# Altium PCB Hydro_USBL_PCB.PcbDoc (part 1 of 2) (continued)
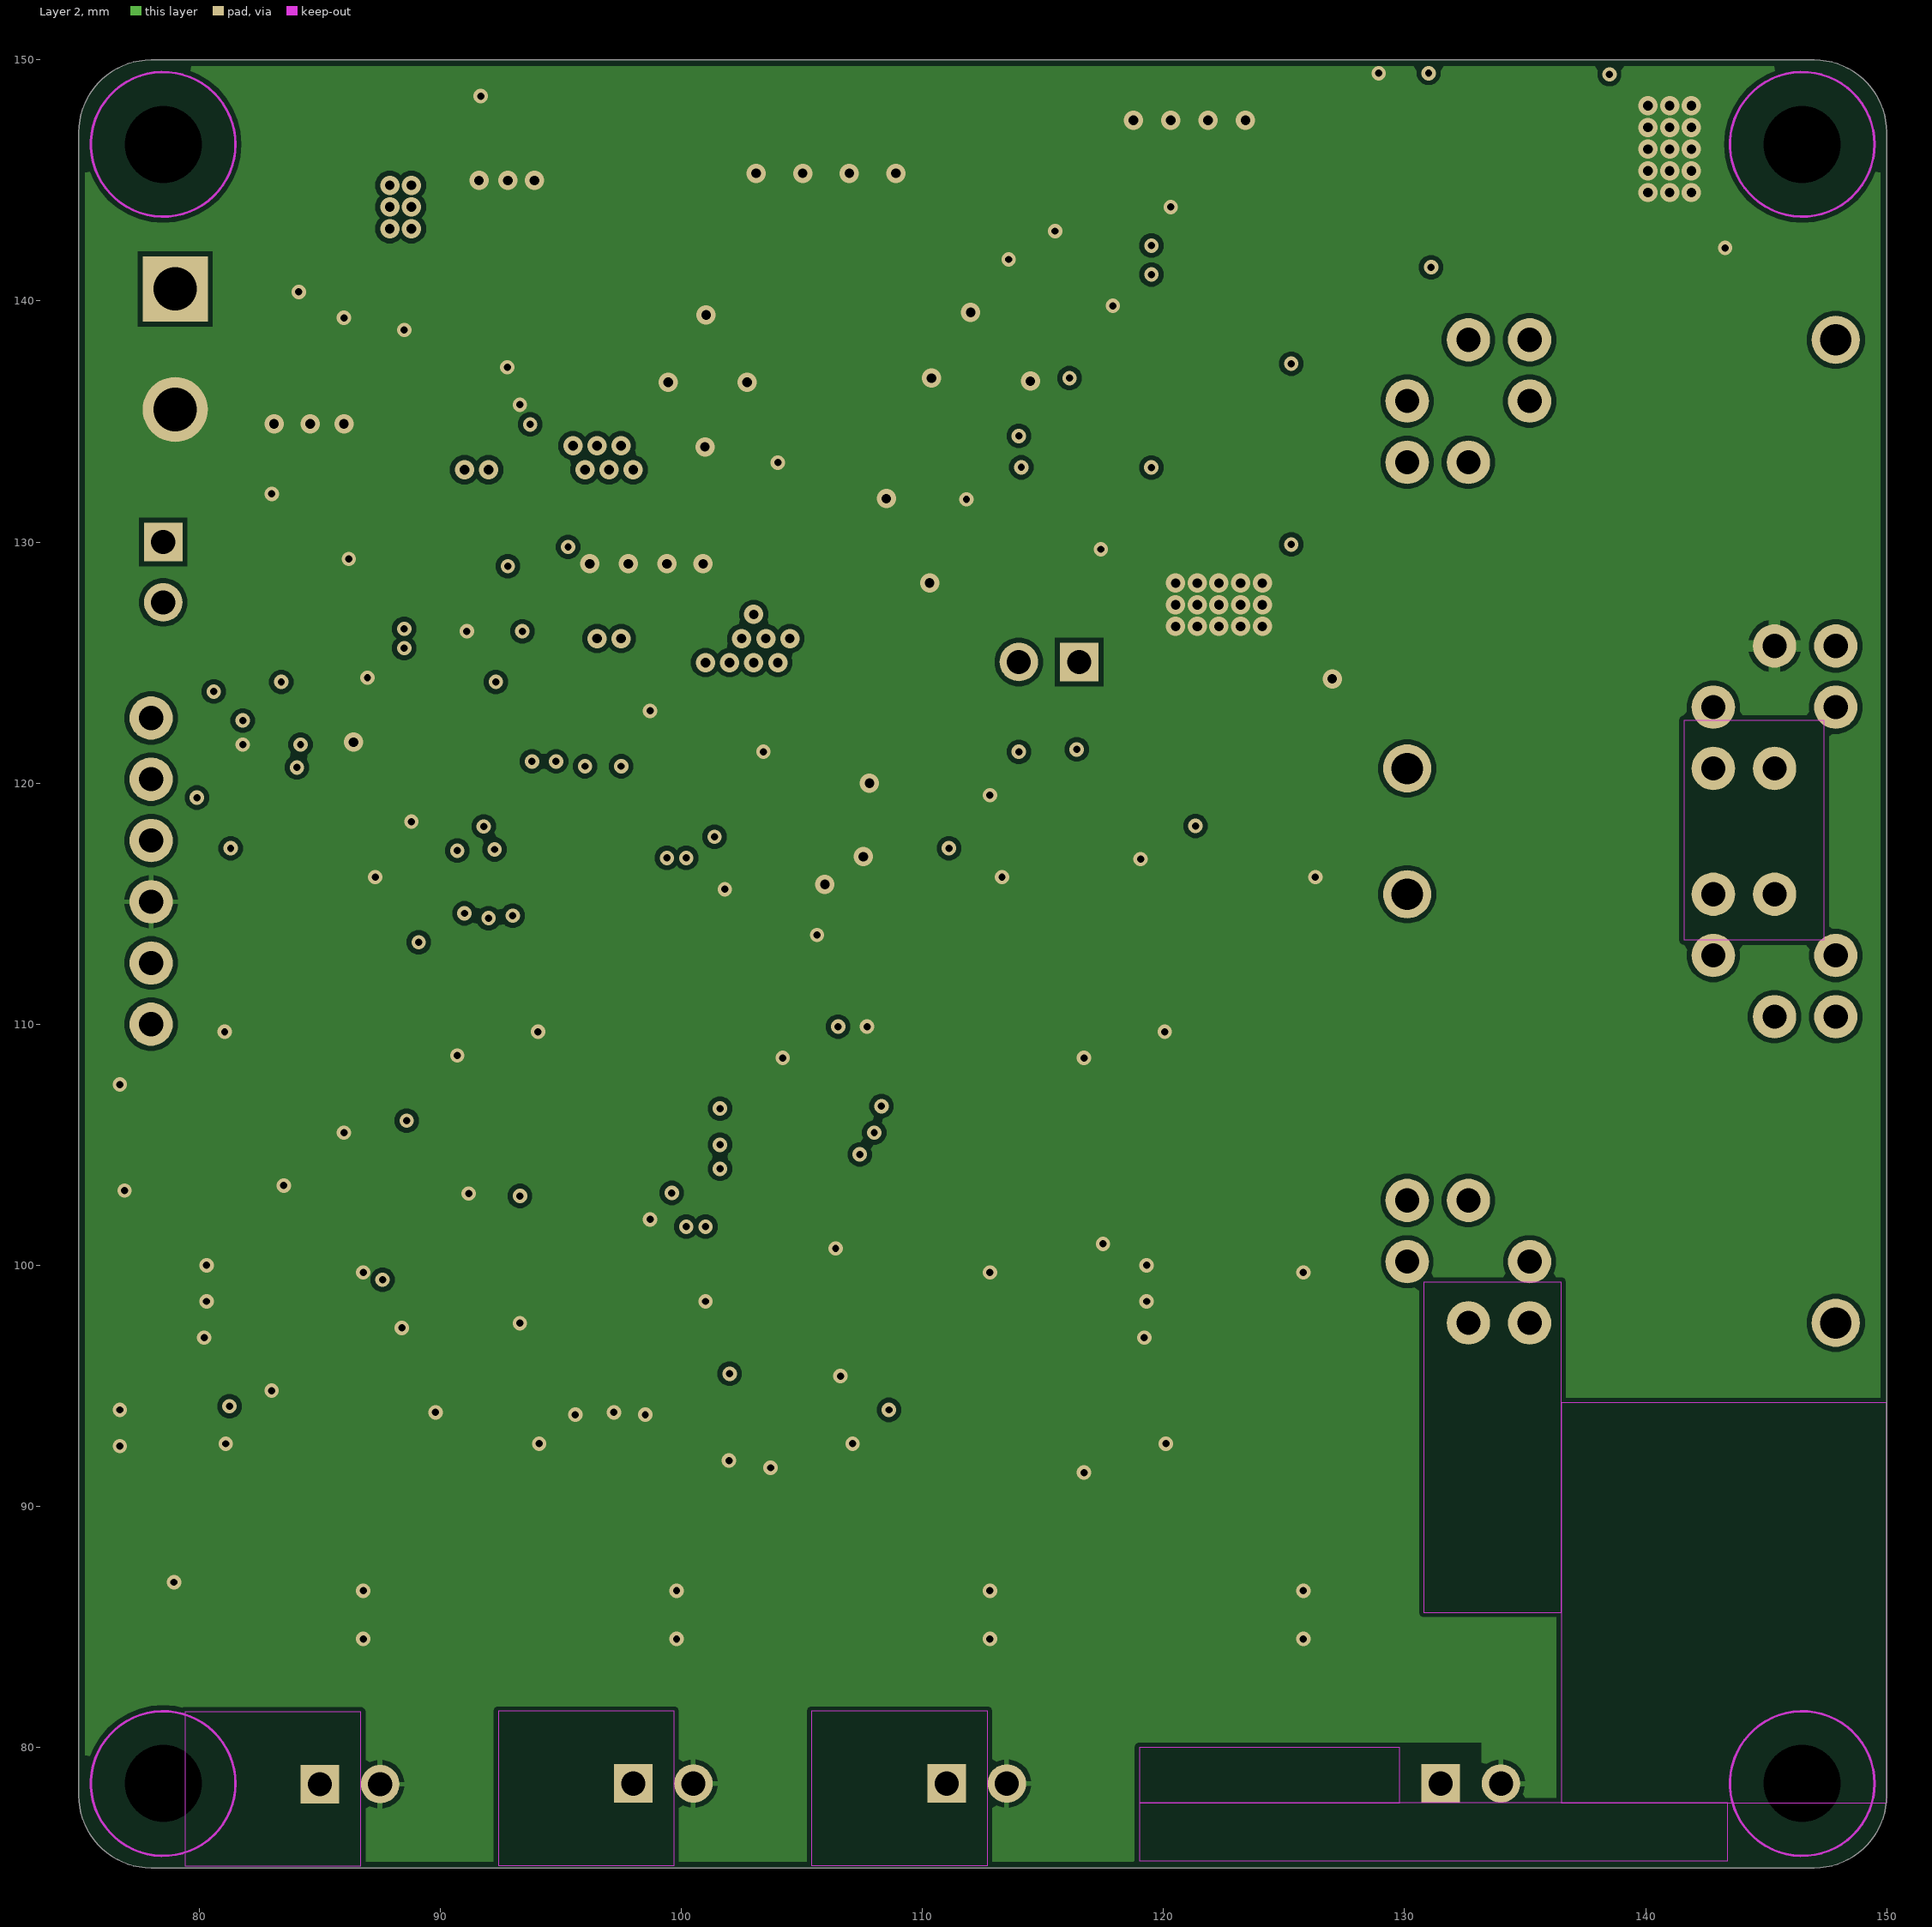
[diagram p3: Layer 2]

## Layer stack, top to bottom
Top Solder: solder mask 0.0102, Solder Resist, Dk 3.5
Top Layer: signal copper 0.0356
Dielectric 2: prepreg 0.115, FR4 PR, Dk 4.2
Layer 1: signal copper 0.035
Dielectric 1: core 0.5, FR4 Tg150, Dk 4.6
Layer 2: signal copper 0.035
Dielectric 3: prepreg 0.115, FR4 PR, Dk 4.2
Bottom Layer: signal copper 0.0356
Bottom Solder: solder mask 0.0102, Solder Resist, Dk 3.5

## Board outline
75,78 75,147 cw(c78,147) 78,150 147,150 cw(c147,147) 150,147 150,78 cw(c147,78) 147,75 78,75 cw(c78,78)

## Design rules (kind name [scope] priority, off if disabled: settings)
AcuteAngle [All] p1: minimum=3.50000000000000E+0001 checktracksonly=FALSE
BoardOutlineClearance "BoardOutlineClearance 1" [All] p1: gap=0.25 ignorepadtopadclearanceinfootprint=FALSE except(0: Arc-SplitContinuation Track-SplitContinuation SMDPad-SplitContinuation THPad-SplitContinuation Via-SplitContinuation Fill-SplitContinuation Poly-SplitContinuation Region-SplitContinuation Text-SplitContinuation) // Milling
BoardOutlineClearance "BoardOutlineClearance 2" [All] p2: gap=0.4 ignorepadtopadclearanceinfootprint=FALSE except(0: Arc-SplitContinuation Track-SplitContinuation SMDPad-SplitContinuation THPad-SplitContinuation Via-SplitContinuation Fill-SplitContinuation Poly-SplitContinuation Region-SplitContinuation Text-SplitContinuation) // V-Cut
Clearance [InNetClass('HV')] p1: gap=0.9 ignorepadtopadclearanceinfootprint=TRUE
Clearance "Schematic Clearance Constraint" [InNet('NetL1_3')] p2: gap=1 ignorepadtopadclearanceinfootprint=FALSE
Clearance "Clearance-1 1 Oz" [All] p3: gap=0.2 ignorepadtopadclearanceinfootprint=FALSE except(0.25: Arc-Hole Track-Hole SMDPad-Hole THPad-Hole Via-Hole Fill-Hole Poly-Hole Region-Hole Text-Hole) // Standart
DiffPairsRouting [InDifferentialPairClass('90OhmDiff')] p1 off: maxlimit=0.222 minlimit=0.127 mostfreqgap=0.222 toplayer_mingap=0.222 toplayer_minwidth=0.2 toplayer_maxwidth=0.2 toplayer_prefwidth=0.2 midlayer1_maxgap=0.127 midlayer1_prefgap=0.127 midlayer1_minwidth=0.082 midlayer1_maxwidth=0.082 midlayer1_prefwidth=0.082 midlayer2_maxgap=0.127 midlayer2_prefgap=0.127 midlayer2_minwidth=0.082 midlayer2_maxwidth=0.082 midlayer2_prefwidth=0.082 bottomlayer_mingap=0.222 bottomlayer_minwidth=0.2 bottomlayer_maxwidth=0.2 bottomlayer_prefwidth=0.2 impedanceprofiledriven=TRUE impedanceprofileid={9D8E4738-0CD2-4533-A0C9-D04DD6BC2EC3} impedanceprofilevalue=90.000000 maxuncoupledlength=12.7
DiffPairsRouting "DiffPairsRouting 1 Oz" [All] p2: maxlimit=0.25 minlimit=0.2 mostfreqgap=0.2 toplayer_minwidth=0.2 toplayer_maxwidth=0.38 toplayer_prefwidth=0.25 midlayer1_minwidth=0.2 midlayer1_maxwidth=0.38 midlayer1_prefwidth=0.25 midlayer2_minwidth=0.2 midlayer2_maxwidth=0.38 midlayer2_prefwidth=0.25 bottomlayer_minwidth=0.2 bottomlayer_maxwidth=0.38 bottomlayer_prefwidth=0.25 maxuncoupledlength=12.7
HoleSize "Minimum HoleSize" [IsPad] p1: absolutevalues=TRUE maxlimit=5.9 minlimit=0.6 maxpercent=80.000 minpercent=20.000
HoleSize "Minimum HoleSize VIA 1" [IsVia] p2: absolutevalues=TRUE maxlimit=5.9 minlimit=0.3 maxpercent=80.000 minpercent=20.000 // Standart
HoleSize "Minimum HoleSize VIA 2" [IsVia] p3: absolutevalues=TRUE maxlimit=5.9 minlimit=0.2 maxpercent=80.000 minpercent=20.000 // Advance
HoleToHoleClearance Hole2HoleClearance [All] p1: gap=0.25 allowstackedmicrovias=FALSE
MinimumAnnularRing "Minimum AR VIA Standart" [IsVia] p1: minimumring=0.15
MinimumAnnularRing "Minimum AR PAD Standart" [IsPAD] p2: minimumring=0.2
MinimumAnnularRing "Minimum AR VIA Advance" [IsVia] p3: minimumring=0.1
MinimumAnnularRing "Minimum AR PAD Advance" [IsPAD] p4: minimumring=0.15
MinimumSolderMaskSliver "SolderMask Bridge Standart" [All] p1: minsoldermaskwidth=0.15 // All Masks
MinimumSolderMaskSliver "SolderMask Bridge Advance" [All] p2: minsoldermaskwidth=0.1 // Mask LDI
PlaneClearance "PlaneClearance 3 Oz" [All] p1 off: clearance=0.35
PlaneClearance "PlaneClearance 2 Oz" [All] p2 off: clearance=0.3
PlaneClearance "PlaneClearance 1 Oz" [All] p3: clearance=0.2
PlaneClearance "PlaneClearance-1 1/2 Oz" [All] p4 off: clearance=0.2 // Standart
PlaneClearance "PlaneClearance-2 1/2 Oz" [All] p5 off: clearance=0.15 // Advance
PlaneConnect "TermalConnect 3 Oz" [All] p1 off: planeconnectstyle=Relief reliefexpansion=0.2 reliefentries=4 reliefconductorwidth=0.35 reliefairgap=0.35 // Standart
PlaneConnect "TermalConnect 2 Oz" [All] p2 off: planeconnectstyle=Relief reliefexpansion=0.2 reliefentries=4 reliefconductorwidth=0.3 reliefairgap=0.3 // Standart
PlaneConnect "TermalConnect-1 1 Oz" [All] p3: planeconnectstyle=Relief reliefexpansion=0.2 reliefentries=4 reliefconductorwidth=0.2 reliefairgap=0.2 // Standart
PlaneConnect "TermalConnect-2 1 Oz" [All] p4 off: pad.planeconnectstyle=Relief pad.reliefexpansion=0.15 pad.reliefentries=4 pad.reliefconductorwidth=0.2 pad.reliefairgap=0.2 via.planeconnectstyle=Direct via.reliefexpansion=0.15 via.reliefentries=4 via.reliefconductorwidth=0.15 via.reliefairgap=0.15 // Advance
PlaneConnect "TermalConnect-1 1/2 Oz" [All] p5 off: planeconnectstyle=Relief reliefexpansion=0.2 reliefentries=4 reliefconductorwidth=0.2 reliefairgap=0.2 // Standart
PlaneConnect "TermalConnect-2 1/2 Oz" [All] p6 off: pad.planeconnectstyle=Relief pad.reliefexpansion=0.15 pad.reliefentries=4 pad.reliefconductorwidth=0.15 pad.reliefairgap=0.15 via.planeconnectstyle=Direct via.reliefexpansion=0.15 via.reliefentries=4 via.reliefconductorwidth=0.15 via.reliefairgap=0.15 // Advance
PolygonConnect PolygonConnect_7 [InNamedPolygon('+5В_L04_P013')] p1: connectstyle=Direct reliefconductorwidth=0.254 reliefentries=4 polygonreliefangle="90 Angle" airgapwidth=0.254
PolygonConnect PolygonConnect_5 [InNet('NetC53_2')  or InNet('NetC61_2')] p2: connectstyle=Direct reliefconductorwidth=0.254 reliefentries=4 polygonreliefangle="90 Angle" airgapwidth=0.254
PolygonConnect PolygonConnect_6 [HasFootprint('SP43')] p3: thpad.connectstyle=Relief thpad.reliefconductorwidth=0.8 thpad.reliefentries=4 thpad.polygonreliefangle="90 Angle" thpad.airgapwidth=0.2 smdpad.connectstyle=Relief smdpad.reliefconductorwidth=0.8 smdpad.reliefentries=4 smdpad.polygonreliefangle="90 Angle" smdpad.airgapwidth=0.2 via.connectstyle=Direct via.reliefconductorwidth=0.254 via.reliefentries=4 via.polygonreliefangle="90 Angle" via.airgapwidth=0.254
PolygonConnect PolygonConnect_4 [HasFootprint('RM8_trans')] p4: connectstyle=Relief reliefconductorwidth=0.5 reliefentries=4 polygonreliefangle="90 Angle" airgapwidth=0.2
PolygonConnect PolygonConnect_3 [HasFootprint('TSOT26')] p5: connectstyle=Relief reliefconductorwidth=0.4 reliefentries=4 polygonreliefangle="90 Angle" airgapwidth=0.2
PolygonConnect PolygonConnect_2 [(HasFootprint('1210C') OR HasFootprint('1206C')) Or (HasFootprint('CAP_SMD_10x12,7')) or (HasFootprint('SOT223'))] p6: connectstyle=Relief reliefconductorwidth=0.6 reliefentries=4 polygonreliefangle="90 Angle" airgapwidth=0.2
PolygonConnect PolygonConnect_1 [InNetClass('Power')] p7: connectstyle=Direct reliefconductorwidth=0.254 reliefentries=4 polygonreliefangle="90 Angle" airgapwidth=0.254
PolygonConnect [(HasFootprint('XT30UPB-M') OR HasFootprint('SON-8_5x6')) OR (HasFootprint('RM8')) Or HasFootprint('2512R') OR InComponent('VT6')] p8: connectstyle=Direct reliefconductorwidth=0.254 reliefentries=4 polygonreliefangle="90 Angle" airgapwidth=0.254
PolygonConnect "PolygonConnect-1 1 Oz" [All] p9: thpad.connectstyle=Relief thpad.reliefconductorwidth=0.2 thpad.reliefentries=4 thpad.polygonreliefangle="90 Angle" thpad.airgapwidth=0.2 smdpad.connectstyle=Relief smdpad.reliefconductorwidth=0.2 smdpad.reliefentries=4 smdpad.polygonreliefangle="90 Angle" smdpad.airgapwidth=0.2 via.connectstyle=Direct via.reliefconductorwidth=0.254 via.reliefentries=4 via.polygonreliefangle="90 Angle" via.airgapwidth=0.254 // Standart
RoomDefinition C [InComponentClass('C')] p1: confinementstyle=ConfineIn formatcopy=TRUE lockcomponents=FALSE outline 102.8,118.5 102.8,76.2 115,76.2 115,118.5
RoomDefinition E [InComponentClass('E')] p2: confinementstyle=ConfineIn formatcopy=TRUE lockcomponents=FALSE outline 76.8,118.5 76.8,76.2 89,76.2 89,118.5
RoomDefinition B [InComponentClass('B')] p3: confinementstyle=ConfineIn formatcopy=TRUE lockcomponents=FALSE outline 115.9,118.5 115.9,76.2 128,76.2 128,118.5
RoomDefinition D [InComponentClass('D')] p4: confinementstyle=ConfineIn formatcopy=TRUE lockcomponents=FALSE outline 89.8,118.5 89.8,76.2 102,76.2 102,118.5
RoutingCorners [All] p1 off: cornerstyle=45-Degree minsetback=2.54 maxsetback=2.54
RoutingVias [All] p1: holewidth=0.4 width=0.8 viastyle="Through Hole" minholewidth=0.3 minwidth=0.6 maxholewidth=5.9 maxwidth=6.4
SilkToSilkClearance Silk2SilkClearance [All] p1 off: silktosilkclearance=0.15
SilkToSolderMaskClearance Silk2SolderMaskClearance [IsPad] p1 off: minsilkscreentomaskgap=0.15 clearancetoexposedcopper=TRUE
SolderMaskExpansion [IsVia] p1: expansion=0.102 istentingtop=TRUE
SolderMaskExpansion SolderMaskExpansion-1 [All] p2 off: expansion=0.05 istentingtop=FALSE // Standart
SolderMaskExpansion "SolderMaskExpansion LDI" [All] p3: expansion=0.025 istentingtop=FALSE // Advance
SupplyNets "Schematic Supply Nets_7" [InNet('+24В')] p1: voltage=0.000
SupplyNets "Schematic Supply Nets_6" [InNet('VREF_MCU')] p2: voltage=0.000
SupplyNets "Schematic Supply Nets_5" [InNet('+10В')] p3: voltage=0.000
SupplyNets "Schematic Supply Nets_4" [InNet('+5В')] p4: voltage=0.000
SupplyNets "Schematic Supply Nets_3" [InNet('GND')] p5: voltage=0.000
SupplyNets "Schematic Supply Nets_2" [InNet('VDDA')] p6: voltage=0.000
SupplyNets "Schematic Supply Nets" [InNet('VDD')] p7: voltage=0.000
UnRoutedNet [All] p1: checkbadconnections=TRUE
Width "Width 1 Oz" [All] p1: maxlimit=10 minlimit=0.2 preferedwidth=0.2 checkconnectedcopper=TRUE
20 further rules are at their usual default settings.

## Classes and differential pairs
differential pair class 90OhmDiff: USB
net class HV: ANT1 ANT2 ANT3 ANT4 NetL1_3 NetL1_9 NetR11_2 NetR13_2
component class STM32: C34 C35 C36 C37 C38 C39 C40 C41 C42 C43 C44 C45 C46 C47 C48 C49 C50 DA2 DD5 FB1 HL1 HL2 R32 R33 R34 R35 R36 R37 R38 R39 R40 R41 R42 R43 R44 R45 R46 S1 S2 ZQ1
component class Power: C51 C52 C53 C54 C55 C56 C57 C58 C59 C60 C61 C62 C63 C64 C65 C66 D1 DA3 DA4 DA5 HL3 HL4 L2 L3 R47 R48 R49 R50 R51 R52 R53
component class "High voltage amp": C1 C2 C3 C4 C5 C6 C7 C8 C9 C10 C11 C15 DD1 DD2 L1 R1 R2 R3 R4 R5 R6 R7 R8 R9 R10 R11 R12 R13 R14 T1 VD1 VD2 VT1 VT2 VT3 VT4
component class Connectors: C12 C67 DD6 DD7 R54 R55 R56 R57 VD4 VD5 VD6 VD7 VT5 VT6 XP1 XP2 XP3 XP4 XP5 XP6 XP7 XP8
net class ANT[1..4]: ANT1 ANT2 ANT3 ANT4
net class ADC[1..4]: ADC1 ADC2 ADC3 ADC4
channel class Analog_Filter: B C D E
component class E: C19D C20D C21D C22D C23D C24D C25D C26D C27D C28D C29D C30D C31D C32D C33D DA1D DD3D DD4D R15D R16D R17D R18D R19D R20D R21D R22D R23D R24D R25D R26D R27D R28D R29D R30D R31D VD3D
component class D: C19C C20C C21C C22C C23C C24C C25C C26C C27C C28C C29C C30C C31C C32C C33C DA1C DD3C DD4C R15C R16C R17C R18C R19C R20C R21C R22C R23C R24C R25C R26C R27C R28C R29C R30C R31C VD3C
component class C: C19B C20B C21B C22B C23B C24B C25B C26B C27B C28B C29B C30B C31B C32B C33B DA1B DD3B DD4B R15B R16B R17B R18B R19B R20B R21B R22B R23B R24B R25B R26B R27B R28B R29B R30B R31B VD3B
component class B: C19A C20A C21A C22A C23A C24A C25A C26A C27A C28A C29A C30A C31A C32A C33A DA1A DD3A DD4A R15A R16A R17A R18A R19A R20A R21A R22A R23A R24A R25A R26A R27A R28A R29A R30A R31A VD3A
differential pair RS485_6: +RS485_6_P -RS485_6_N
differential pair USB: +USB_P -USB_N

## Components (designator, comment, footprint, x,y, rotation, side; value= is the part's Value field where it differs from the comment)
C1 "Capacitor" 1210C 115.5,140.1 r90 bottom value="10 мк"
C2 "Capacitor" 0603C 119,139 r270 bottom value="0,1 мк"
C3 "Capacitor" 1210C 127.3,147.5 r0 bottom value="10 мк"
C4 "Capacitor" 0603C 131.3,144.8 r180 bottom value="0,1 мк"
C5 "Capacitor" 0603C 117.5,131.5 r0 bottom value="1 мк"
C6 "Capacitor" 0603C 128,139.5 r0 bottom value="1 мк"
C7 "Capacitor" CAP_SMD_10x12,7 101,141 r270 top value="68 мк"
C8 "Capacitor" 1210C 122.5,147 r270 top value="10 мк"
C9 "Capacitor" CAP_SMD_10x12,7 112,141 r270 top value="68 мк"
C10 "Capacitor" 0603C 127,130.4 r90 top value="1 н"
C11 "Capacitor" 1210C 119.5,147 r270 top value="10 мк"
C12 "Capacitor" 0603C 94.5,127.5 r270 bottom value="0,1 мк"
C15 "Capacitor" 0603C 137.8,142.2 r180 top value="1 н"
C19A "Capacitor" 1206C 121,79 r90 bottom value="100 п" (schematic designator C19)
C19B "Capacitor" 1206C 108,79 r90 bottom value="100 п" (schematic designator C19)
C19C "Capacitor" 1206C 95,79 r90 bottom value="100 п" (schematic designator C19)
C19D "Capacitor" 1206C 86,82 r180 bottom value="100 п" (schematic designator C19)
C20A "Capacitor" 0603C 121,87 r90 bottom value="1 н" (schematic designator C20)
C20B "Capacitor" 0603C 108,87 r90 bottom value="1 н" (schematic designator C20)
C20C "Capacitor" 0603C 95,87 r90 bottom value="1 н" (schematic designator C20)
C20D "Capacitor" 0603C 82,87 r90 bottom value="1 н" (schematic designator C20)
C21A "Capacitor" 0603C 117.5,100 r180 bottom value="10 мк" (schematic designator C21)
C21B "Capacitor" 0603C 104.5,100 r180 bottom value="10 мк" (schematic designator C21)
C21C "Capacitor" 0603C 91.5,100 r180 bottom value="10 мк" (schematic designator C21)
C21D "Capacitor" 0603C 78.5,100 r180 bottom value="10 мк" (schematic designator C21)
C22A "Capacitor" 0603C 117.5,98.5 r180 bottom value="0,1 мк" (schematic designator C22)
C22B "Capacitor" 0603C 104.5,98.5 r180 bottom value="0,1 мк" (schematic designator C22)
C22C "Capacitor" 0603C 91.5,98.5 r180 bottom value="0,1 мк" (schematic designator C22)
C22D "Capacitor" 0603C 78.5,98.5 r180 bottom value="0,1 мк" (schematic designator C22)
C23A "Capacitor" 0603C 117.5,107.5 r0 bottom value="0,1 мк" (schematic designator C23)
C23B "Capacitor" 0603C 104.5,107.5 r0 bottom value="0,1 мк" (schematic designator C23)
C23C "Capacitor" 0603C 91.5,107.5 r0 bottom value="0,1 мк" (schematic designator C23)
C23D "Capacitor" 0603C 78.5,107.5 r0 bottom value="0,1 мк" (schematic designator C23)
C24A "Capacitor" 0603C 125,98.5 r180 bottom value="0,1 мк" (schematic designator C24)
C24B "Capacitor" 0603C 112,98.5 r180 bottom value="0,1 мк" (schematic designator C24)
C24C "Capacitor" 0603C 99,98.5 r180 bottom value="0,1 мк" (schematic designator C24)
C24D "Capacitor" 0603C 86,98.5 r180 bottom value="0,1 мк" (schematic designator C24)
C25A "Capacitor" 0603C 125.5,95.5 r90 bottom value="3,3 н" (schematic designator C25)
C25B "Capacitor" 0603C 112.5,95.5 r90 bottom value="3,3 н" (schematic designator C25)
C25C "Capacitor" 0603C 99.5,95.5 r90 bottom value="3,3 н" (schematic designator C25)
C25D "Capacitor" 0603C 86.5,95.5 r90 bottom value="3,3 н" (schematic designator C25)
C26A "Capacitor" 0603C 127,95.5 r90 bottom value="3,3 н" (schematic designator C26)
C26B "Capacitor" 0603C 114,95.5 r90 bottom value="3,3 н" (schematic designator C26)
C26C "Capacitor" 0603C 101,95.5 r90 bottom value="3,3 н" (schematic designator C26)
C26D "Capacitor" 0603C 88,95.5 r90 bottom value="3,3 н" (schematic designator C26)
C27A "Capacitor" 0603C 117.5,94 r0 bottom value="10 мк" (schematic designator C27)
C27B "Capacitor" 0603C 104.5,94 r0 bottom value="10 мк" (schematic designator C27)
C27C "Capacitor" 0603C 91.5,94 r0 bottom value="10 мк" (schematic designator C27)
C27D "Capacitor" 0603C 78.5,94 r0 bottom value="10 мк" (schematic designator C27)
C28A "Capacitor" 0603C 117.5,92.5 r0 bottom value="0,1 мк" (schematic designator C28)
C28B "Capacitor" 0603C 104.5,92.5 r0 bottom value="0,1 мк" (schematic designator C28)
C28C "Capacitor" 0603C 91.5,92.5 r0 bottom value="0,1 мк" (schematic designator C28)
C28D "Capacitor" 0603C 78.5,92.5 r0 bottom value="0,1 мк" (schematic designator C28)
C29A "Capacitor" 0603C 123.5,103.5 r90 bottom value="3,3 н" (schematic designator C29)
C29B "Capacitor" 0603C 110.5,103.5 r90 bottom value="3,3 н" (schematic designator C29)
C29C "Capacitor" 0603C 97.5,103.5 r90 bottom value="3,3 н" (schematic designator C29)
C29D "Capacitor" 0603C 84.5,103.5 r90 bottom value="3,3 н" (schematic designator C29)
C30A "Capacitor" 0603C 121.5,103.5 r90 bottom value="3,3 н" (schematic designator C30)
C30B "Capacitor" 0603C 108.5,103.5 r90 bottom value="3,3 н" (schematic designator C30)
C30C "Capacitor" 0603C 95.5,103.5 r90 bottom value="3,3 н" (schematic designator C30)
C30D "Capacitor" 0603C 82.5,103.5 r90 bottom value="3,3 н" (schematic designator C30)
C31A "Capacitor" 0603C 125.5,115 r180 bottom value="0,1 мк" (schematic designator C31)
C31B "Capacitor" 0603C 112.5,115 r180 bottom value="0,1 мк" (schematic designator C31)
C31C "Capacitor" 0603C 99.5,115 r180 bottom value="0,1 мк" (schematic designator C31)
C31D "Capacitor" 0603C 86.5,115 r180 bottom value="0,1 мк" (schematic designator C31)
C32A "Capacitor" 0603C 125.5,112.5 r90 bottom value="3,3 н" (schematic designator C32)
C32B "Capacitor" 0603C 112.5,112.5 r90 bottom value="3,3 н" (schematic designator C32)
C32C "Capacitor" 0603C 99.5,112.5 r90 bottom value="3,3 н" (schematic designator C32)
C32D "Capacitor" 0603C 86.5,112.5 r90 bottom value="3,3 н" (schematic designator C32)
C33A "Capacitor" 0603C 127,112.5 r90 bottom value="3,3 н" (schematic designator C33)
C33B "Capacitor" 0603C 114,112.5 r90 bottom value="3,3 н" (schematic designator C33)
C33C "Capacitor" 0603C 101,112.5 r90 bottom value="3,3 н" (schematic designator C33)
C33D "Capacitor" 0603C 88,112.5 r90 bottom value="3,3 н" (schematic designator C33)
C34 "Capacitor" 1206C 106,118.5 r180 top value="4,7 мк"
C35 "Capacitor" 0603C 102.75,93 r0 top value="0,47 мк"
C36 "Capacitor" 0603C 105,102 r90 top value="0,1 мк"
C37 "Capacitor" 0603C 90,95.75 r90 top value="0,1 мк"
C38 "Capacitor" 0603C 85,101.8 r270 top value="0,1 мк"
C39 "Capacitor" 0603C 88.4,117.5 r180 top value="0,1 мк"
C40 "Capacitor" 0603C 105.75,96.5 r180 top value="1 мк"
C41 "Capacitor" 0603C 99,95.75 r90 top value="1 мк"
C42 "Capacitor" 0603C 104.5,114.5 r90 top value="0,1 мк"
C43 "Capacitor" 0603C 105.75,98 r180 top value="0,1 мк"
C44 "Capacitor" 0603C 100.5,95.75 r90 top value="0,1 мк"
C45 "Capacitor" 1206C 88.2,120.1 r0 top value="2,2 мк"
C46 "Capacitor" 1206C 107.5,114 r270 top value="2,2 мк"
C47 "Capacitor" 0603C 97.25,95.75 r90 top value="12 п"
C48 "Capacitor" 0603C 91.5,95.75 r270 top value="12 п"
C49 "Capacitor" 0603C 82.2,96.2 r180 top value="0,1 мк"
C50 "Capacitor" 0603C 86.5,96.2 r180 top value="0,1 мк"
C51 "Capacitor" 1210C 84.65,135.25 r90 top value="10 мк"
C52 "Capacitor" 0603C 102.5,123 r90 bottom value="0,1 мк"
C53 "Capacitor" 0603C 88.7,132.9 r180 top value="0,1 мк"
C54 "Capacitor" 0603C 91.9,135 r270 top value="3,3 н"
C55 "Capacitor" 1210C 100,129.6 r90 top value="22 мк"
C56 "Capacitor" 1210C 108.1,131.8 r180 top value="10 мк"
C57 "Capacitor" 1210C 96.9,129.6 r90 top value="22 мк"
C58 "Capacitor" 1210C 93.8,129.6 r90 top value="22 мк"
C59 "Capacitor" 0603C 104,131.5 r270 top value="1 мк"
C60 "Capacitor" 1210C 86,142 r90 bottom value="10 мк"
C61 "Capacitor" 0603C 93.6,142.2 r90 bottom value="0,1 мк"
C62 "Capacitor" 0603C 91,140.5 r0 bottom value="3,3 н"
C63 "Capacitor" 0603C 96.5,123 r90 bottom value="1 мк"
C64 "Capacitor" 1210C 107.5,142.5 r270 bottom value="22 мк"
C65 "Capacitor" 1210C 104.5,142.5 r270 bottom value="22 мк"
C66 "Capacitor" 1210C 101.5,142.5 r270 bottom value="22 мк"
C67 "Capacitor" 0603C 90.5,135.4 r0 bottom value="0,1 мк"
D1 "LD1117S33CTR" SOT223 106.5,125.5 r270 top
DA1A "AD8031" SOT23-5 117.5,103 r90 bottom (schematic designator DA1)
DA1B "AD8031" SOT23-5 104.5,103 r90 bottom (schematic designator DA1)
DA1C "AD8031" SOT23-5 91.5,103 r90 bottom (schematic designator DA1)
DA1D "AD8031" SOT23-5 78.5,103 r90 bottom (schematic designator DA1)
DA2 "REF3030AIDBZR" SOT23-3 102.75,95.5 r270 top
DA3 "AP63200" TSOT26 87.9,135.75 r180 top
DA4 "AP63200" TSOT26 91,143 r90 bottom
DA5 "ADP150AUJZ-3.3" SOT23-5 99.5,123 r180 bottom
DD1 "UCC27211" SOIC-8 115.5,135 r180 bottom
DD2 "UCC27211" SOIC-8 126,143 r180 bottom
DD3A "AD8656" SOIC-8 122,94 r90 bottom (schematic designator DD3)